# Altium PCB adafruit flora mainboard 2 -  4拼版.PcbDoc (part 1 of 2)
Units mm, origin at the board's own origin, x right, y up, seen from the top; angles counter-clockwise.
Board outline 100 x 100 mm, 16 copper layers (Top, Route2, Route3, Route4, Route5, Route6, Route7, Route8, Route9, Route10, Route11, Route12, Route13, Route14, Route15, Bottom), stack 0.888 mm thick; 220 components, 39 nets, 636 pads, 188 vias.
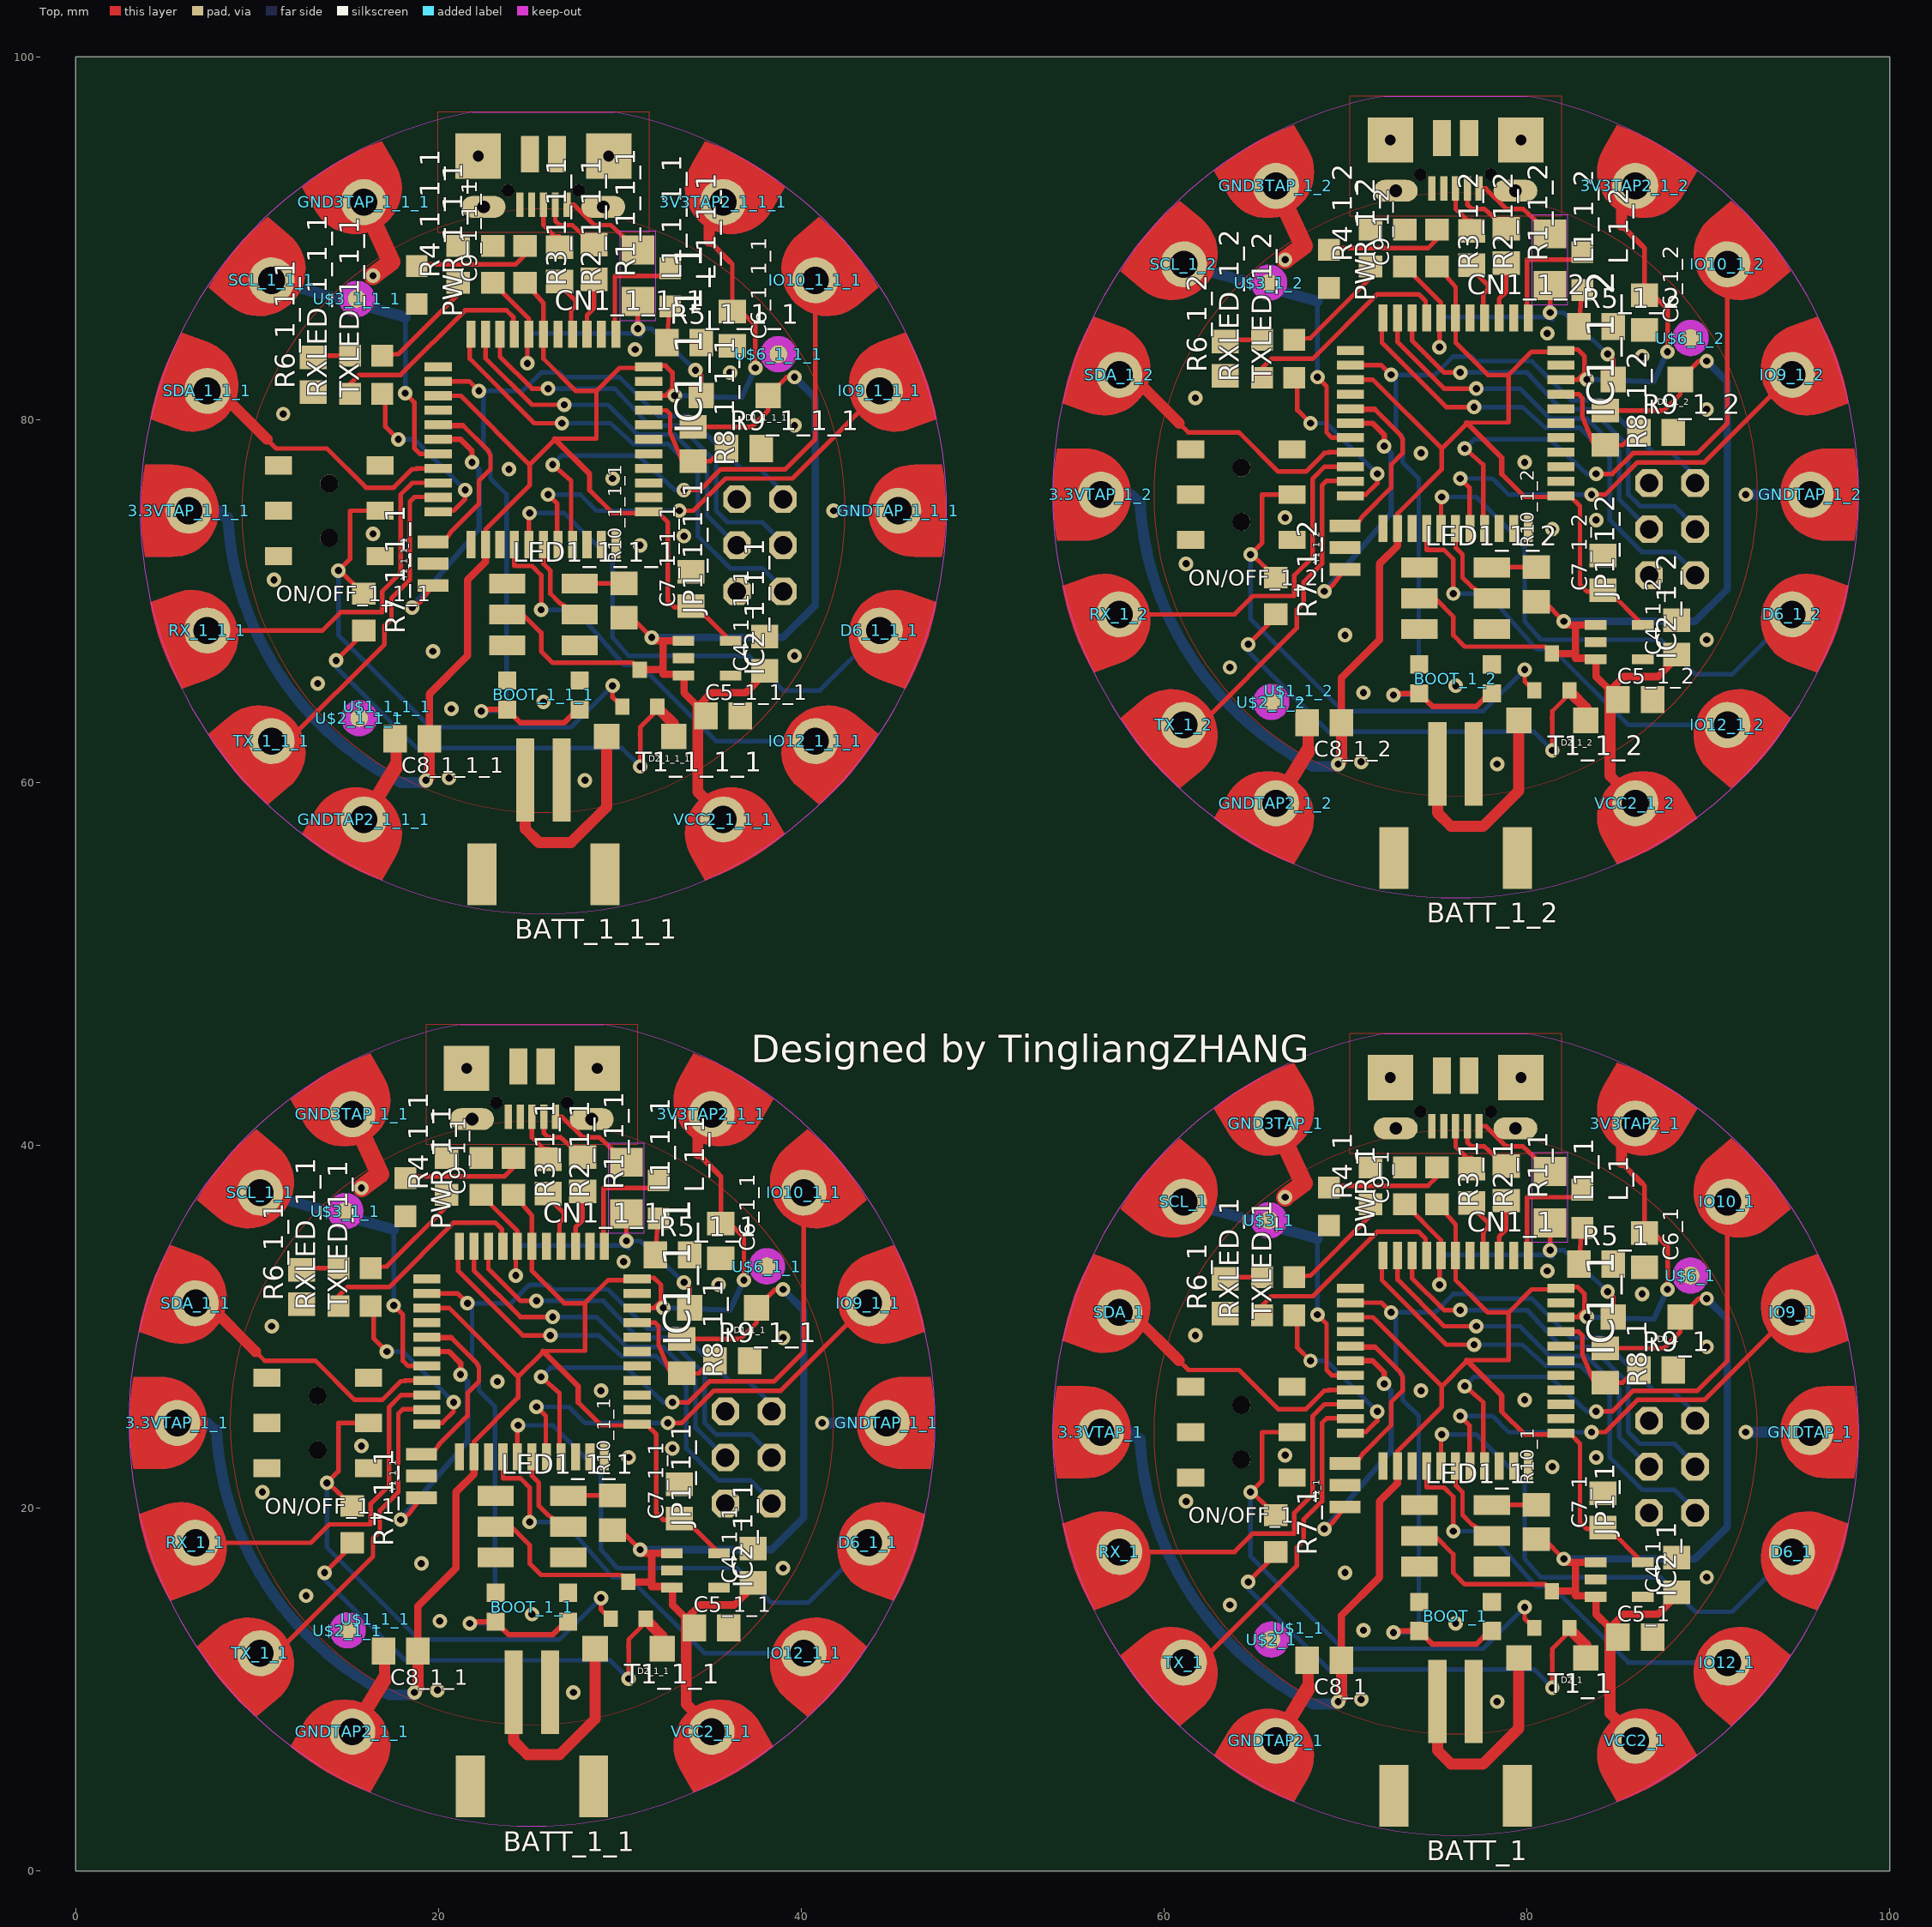
[diagram p0: Top view]
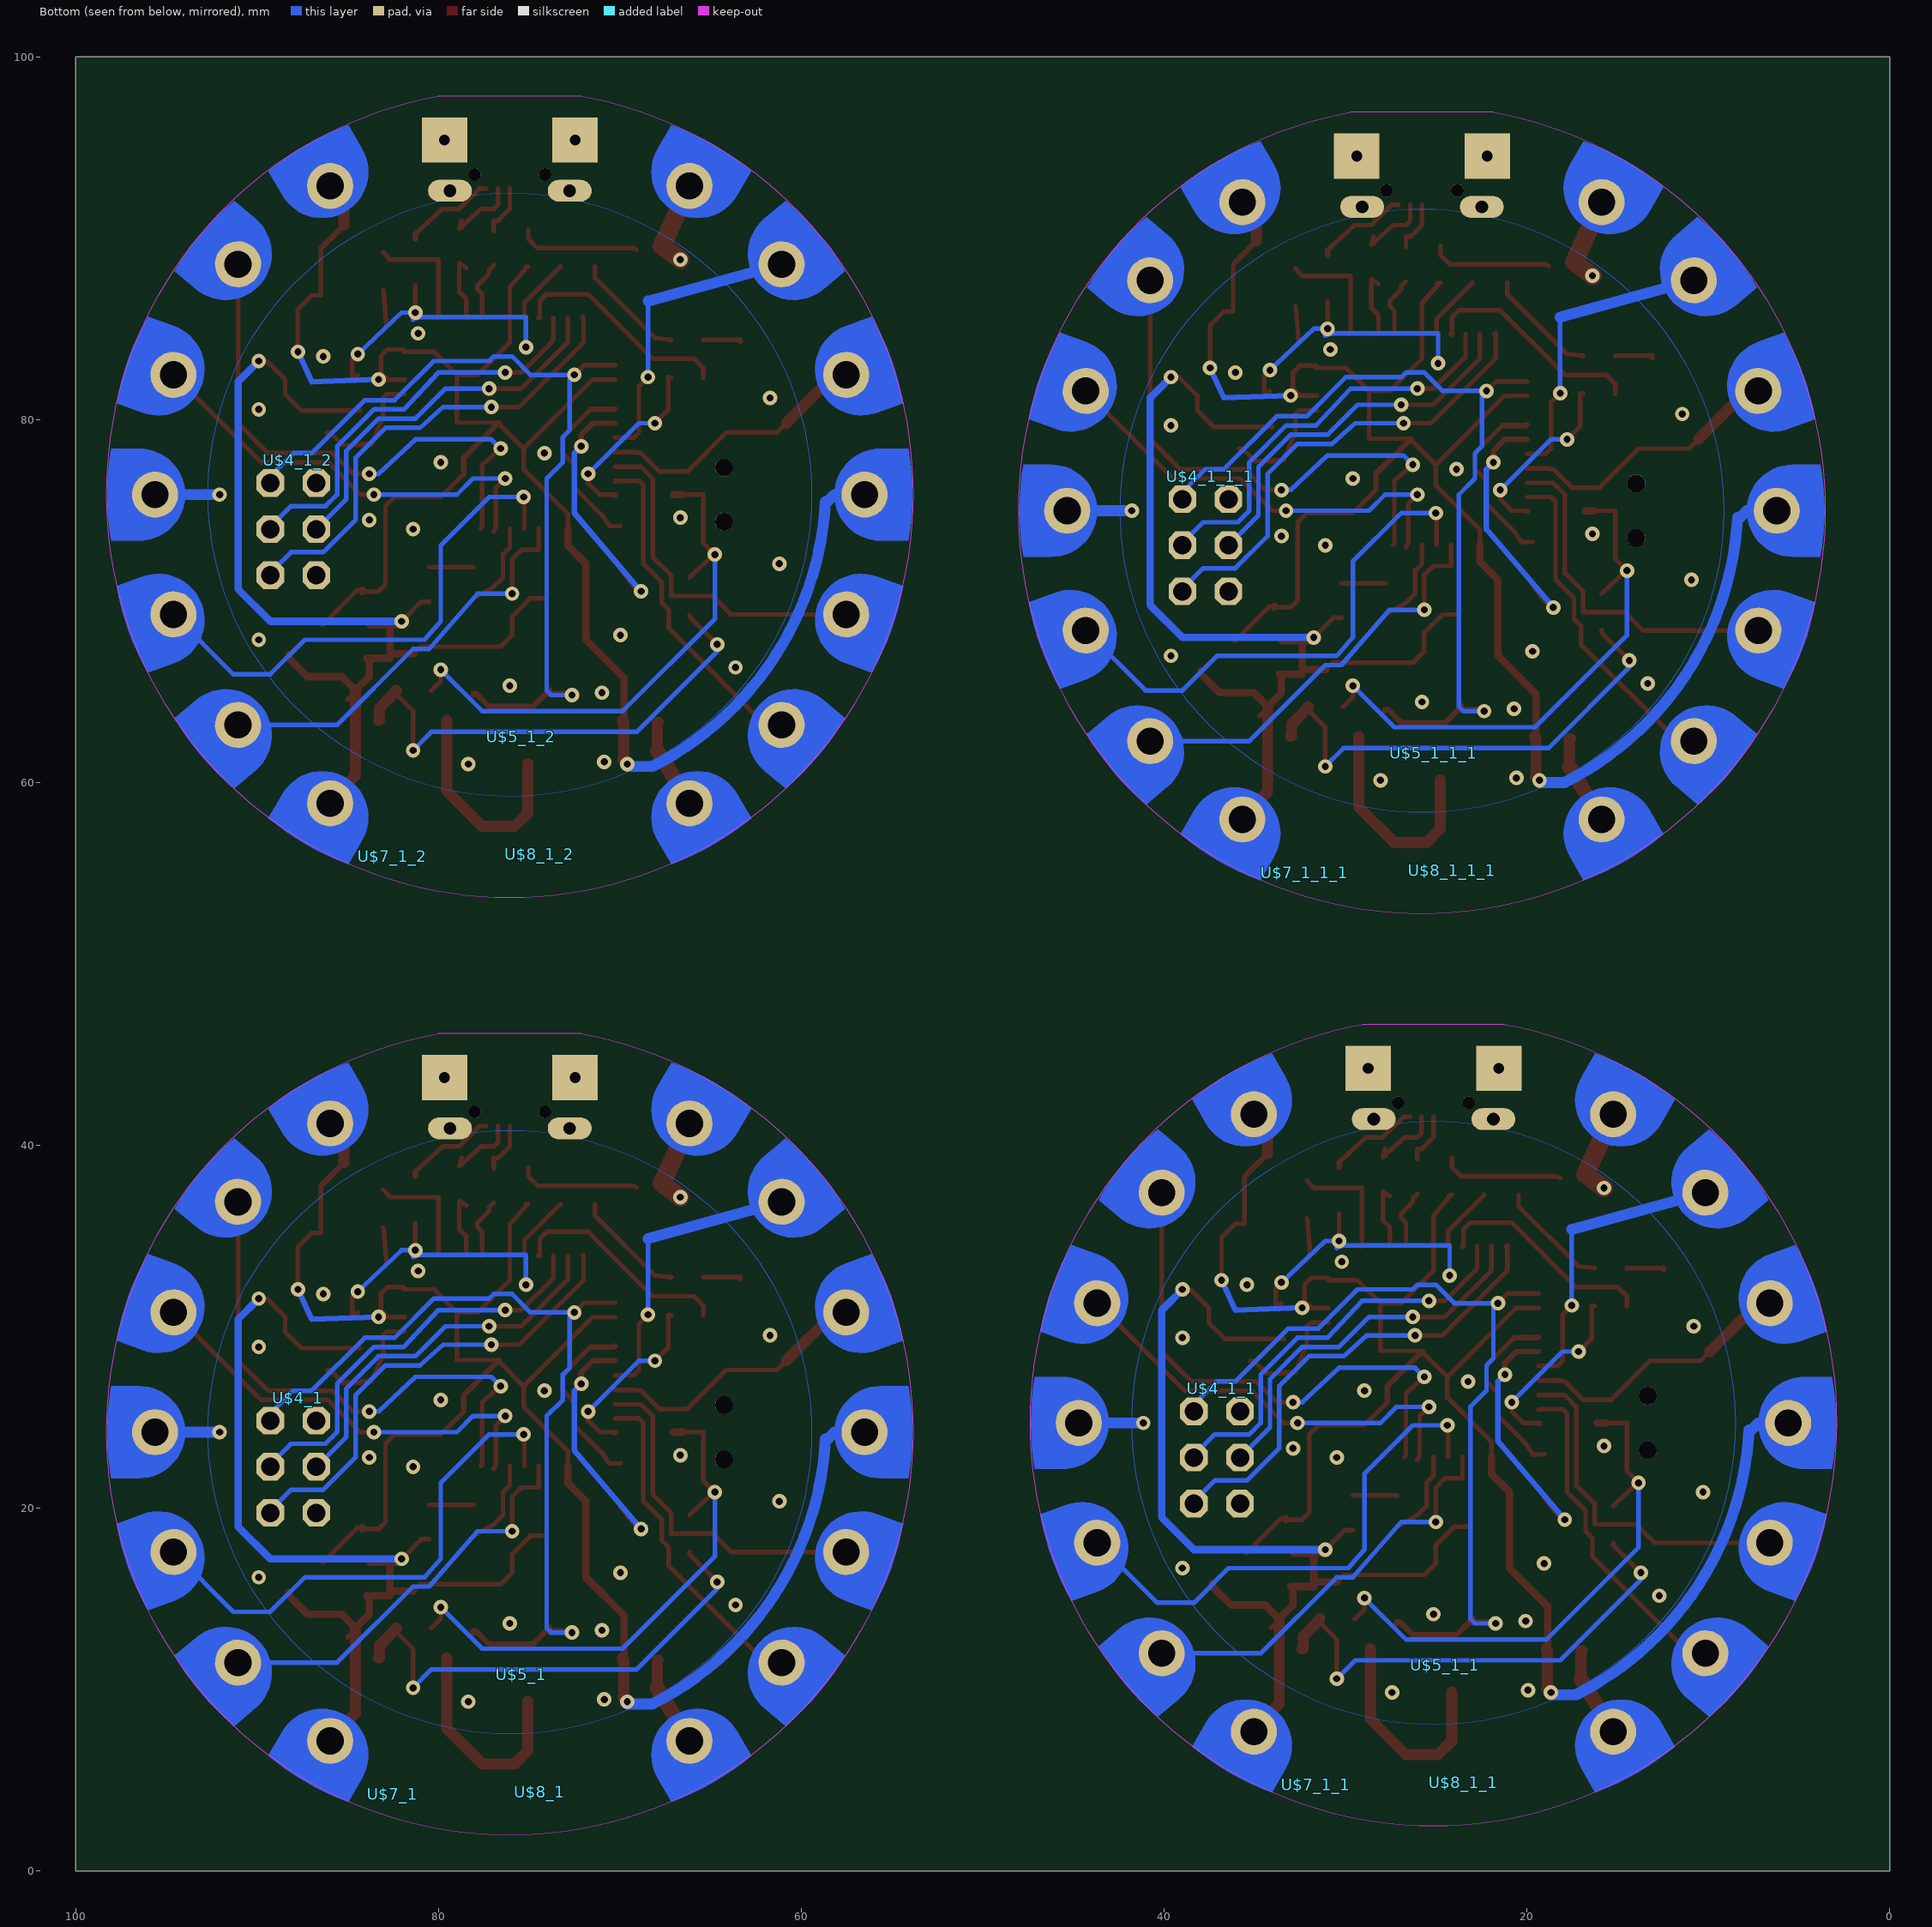
[diagram p1: Bottom view, seen from below]

## Layer stack, top to bottom
Top Solder: solder mask 0.0102, Solder Resist, Dk 3.5
Top: signal copper 0.035
Dielectric 1: dielectric 0.32, FR-4, Dk 4.8
Route2: signal copper 0.0356
Route3: signal copper 0.0356
Route4: signal copper 0.0356
Route5: signal copper 0.0356
Route6: signal copper 0.0356
Route7: signal copper 0.0356
Route8: signal copper 0.0356
Route9: signal copper 0.0356
Route10: signal copper 0.0356
Route11: signal copper 0.0356
Route12: signal copper 0.0356
Route13: signal copper 0.0356
Route14: signal copper 0.0356
Route15: signal copper 0.0356
Bottom: signal copper 0.035
Bottom Solder: solder mask 0.0102, Solder Resist, Dk 3.5

## Board outline
0,0 0,100 100,100 100,0

## Design rules (kind name [scope] priority, off if disabled: settings)
BoardOutlineClearance mdCopperDimension [All] p1: gap=0.254 ignorepadtopadclearanceinfootprint=FALSE except(0: Arc-SplitContinuation Track-SplitContinuation SMDPad-SplitContinuation THPad-SplitContinuation Via-SplitContinuation Fill-SplitContinuation Poly-SplitContinuation Region-SplitContinuation Text-SplitContinuation)
Clearance "Clearance (Same Net)" [All] p1: gap=0.203 ignorepadtopadclearanceinfootprint=FALSE
Clearance [All] p2: gap=0.203 ignorepadtopadclearanceinfootprint=FALSE except(0: Arc-Poly Track-Poly SMDPad-Poly THPad-Poly Via-Poly Fill-Poly Poly-Poly Poly-Region Poly-Text; 0.254: Poly-Hole)
HoleSize [All] p1: absolutevalues=TRUE maxlimit=2540 minlimit=0.394 maxpercent=80.000 minpercent=20.000
HoleToHoleClearance mdDrill [All] p1: gap=0.203 allowstackedmicrovias=TRUE
PasteMaskExpansion Expansion_SMDPaste_OFF [InPadClass('SMDPaste_OFF')] p1: expansion=0
PasteMaskExpansion mlMinCreamFrame [All] p2: expansion=0
PolygonConnect PolygonConnect_For_PolygonThermal_ON_Width100000_Gap100000 [InPolygonClass('PolygonThermal_ON_Width100000_Gap100000') vs Not IsVia] p1: connectstyle=Relief reliefconductorwidth=0.254 reliefentries=4 polygonreliefangle="90 Angle" airgapwidth=0.254
PolygonConnect ThermalVias [IsVia] p2: connectstyle=Direct reliefconductorwidth=0.254 reliefentries=4 polygonreliefangle="90 Angle" airgapwidth=0.254
PolygonConnect [All] p3: connectstyle=Relief reliefconductorwidth=0.254 reliefentries=4 polygonreliefangle="90 Angle" airgapwidth=0.254
RoutingVias [All] p1: holewidth=0.394 width=0.8 viastyle="Through Hole" minholewidth=0.394 minwidth=0.8 maxholewidth=2.54 maxwidth=2.54
SolderMaskExpansion Expansion_SMDSolder_OFF [InPadClass('SMDSolder_OFF')] p1: expansion=0
SolderMaskExpansion mlMinStopFrame [All] p2: expansion=0.051
Width [All] p1: maxlimit=254 minlimit=0.203 preferedwidth=0.203
27 further rules are at their usual default settings.

## Components (designator, comment, footprint, x,y, rotation, side; value= is the part's Value field where it differs from the comment)
3.3VTAP_1 "" SEWINGTAP_2.0 56.515,24.185 r90 top (schematic designator 3.3VTAP)
3.3VTAP_1_1 "" SEWINGTAP_2.0 5.588,24.693 r90 top (schematic designator 3.3VTAP)
3.3VTAP_1_1_1 "" SEWINGTAP_2.0 6.223,74.985 r90 top (schematic designator 3.3VTAP)
3.3VTAP_1_2 "" SEWINGTAP_2.0 56.515,75.874 r90 top (schematic designator 3.3VTAP)
3V3TAP2_1 "" SEWINGTAP_2.0 85.979,41.203 r330 top (schematic designator 3V3TAP2)
3V3TAP2_1_1 "" SEWINGTAP_2.0 35.052,41.711 r330 top (schematic designator 3V3TAP2)
3V3TAP2_1_1_1 "" SEWINGTAP_2.0 35.687,92.003 r330 top (schematic designator 3V3TAP2)
3V3TAP2_1_2 "" SEWINGTAP_2.0 85.979,92.892 r330 top (schematic designator 3V3TAP2)
BATT_1 "3-9VDC" JST-PH-2-SMT-RA 76.073,5.643 r180 top (schematic designator BATT)
BATT_1_1 "3-9VDC" JST-PH-2-SMT-RA 25.146,6.151 r180 top (schematic designator BATT)
BATT_1_1_1 "3-9VDC" JST-PH-2-SMT-RA 25.781,56.443 r180 top (schematic designator BATT)
BATT_1_2 "3-9VDC" JST-PH-2-SMT-RA 76.073,57.332 r180 top (schematic designator BATT)
BOOT_1 "" KMR2 76.073,14.025 r180 top (schematic designator BOOT)
BOOT_1_1 "" KMR2 25.146,14.533 r180 top (schematic designator BOOT)
BOOT_1_1_1 "" KMR2 25.781,64.825 r180 top (schematic designator BOOT)
BOOT_1_2 "" KMR2 76.073,65.714 r180 top (schematic designator BOOT)
C4_1 "10uF" 0805-NO 88.265,16.311 r90 top (schematic designator C4)
C4_1_1 "10uF" 0805-NO 37.338,16.819 r90 top (schematic designator C4)
C4_1_1_1 "10uF" 0805-NO 37.973,67.111 r90 top (schematic designator C4)
C4_1_2 "10uF" 0805-NO 88.265,68 r90 top (schematic designator C4)
C5_1 "10uF" 0805-NO 85.979,12.882 r0 top (schematic designator C5)
C5_1_1 "10uF" 0805-NO 35.052,13.39 r0 top (schematic designator C5)
C5_1_1_1 "10uF" 0805-NO 35.687,63.682 r0 top (schematic designator C5)
C5_1_2 "10uF" 0805-NO 85.979,64.571 r0 top (schematic designator C5)
C6_1 "10uF" 0805-NO 86.487,34.218 r270 top (schematic designator C6)
C6_1_1 "10uF" 0805-NO 35.56,34.726 r270 top (schematic designator C6)
C6_1_1_1 "10uF" 0805-NO 36.195,85.018 r270 top (schematic designator C6)
C6_1_2 "10uF" 0805-NO 86.487,85.907 r270 top (schematic designator C6)
C7_1 "10uF" 0805-NO 84.201,19.867 r90 top (schematic designator C7)
C7_1_1 "10uF" 0805-NO 33.274,20.375 r90 top (schematic designator C7)
C7_1_1_1 "10uF" 0805-NO 33.909,70.667 r90 top (schematic designator C7)
C7_1_2 "10uF" 0805-NO 84.201,71.556 r90 top (schematic designator C7)
C8_1 "10uF" 0805-NO 68.834,11.612 r180 top (schematic designator C8)
C8_1_1 "10uF" 0805-NO 17.907,12.12 r180 top (schematic designator C8)
C8_1_1_1 "10uF" 0805-NO 18.542,62.412 r180 top (schematic designator C8)
C8_1_2 "10uF" 0805-NO 68.834,63.301 r180 top (schematic designator C8)
C9_1 "10uF" _0805MP 73.279,37.774 r90 top (schematic designator C9)
C9_1_1 "10uF" _0805MP 22.352,38.282 r90 top (schematic designator C9)
C9_1_1_1 "10uF" _0805MP 22.987,88.574 r90 top (schematic designator C9)
C9_1_2 "10uF" _0805MP 73.279,89.463 r90 top (schematic designator C9)
CN1_1 "MiniB USB" 4UCONN_20329 76.073,41.838 r180 top (schematic designator CN1)
CN1_1_1 "MiniB USB" 4UCONN_20329 25.146,42.346 r180 top (schematic designator CN1)
CN1_1_1_1 "MiniB USB" 4UCONN_20329 25.781,92.638 r180 top (schematic designator CN1)
CN1_1_2 "MiniB USB" 4UCONN_20329 76.073,93.527 r180 top (schematic designator CN1)
D1_1 "SCHOTTKY" SOD-123 86.614,30.535 r180 top (schematic designator D1)
D1_1_1 "SCHOTTKY" SOD-123 35.687,31.043 r180 top (schematic designator D1)
D1_1_1_1 "SCHOTTKY" SOD-123 36.322,81.335 r180 top (schematic designator D1)
D1_1_2 "SCHOTTKY" SOD-123 86.614,82.224 r180 top (schematic designator D1)
D2_1 "SCHOTTKY" SOD-123 81.407,11.739 r180 top (schematic designator D2)
D2_1_1 "SCHOTTKY" SOD-123 30.48,12.247 r180 top (schematic designator D2)
D2_1_1_1 "SCHOTTKY" SOD-123 31.115,62.539 r180 top (schematic designator D2)
D2_1_2 "SCHOTTKY" SOD-123 81.407,63.428 r180 top (schematic designator D2)
D6_1 "" SEWINGTAP_2.0 94.615,17.581 r250 top (schematic designator D6)
D6_1_1 "" SEWINGTAP_2.0 43.688,18.089 r250 top (schematic designator D6)
D6_1_1_1 "" SEWINGTAP_2.0 44.323,68.381 r250 top (schematic designator D6)
D6_1_2 "" SEWINGTAP_2.0 94.615,69.27 r250 top (schematic designator D6)
GND3TAP_1 "" SEWINGTAP_2.0 66.167,41.203 r30 top (schematic designator GND3TAP)
GND3TAP_1_1 "" SEWINGTAP_2.0 15.24,41.711 r30 top (schematic designator GND3TAP)
GND3TAP_1_1_1 "" SEWINGTAP_2.0 15.875,92.003 r30 top (schematic designator GND3TAP)
GND3TAP_1_2 "" SEWINGTAP_2.0 66.167,92.892 r30 top (schematic designator GND3TAP)
GNDTAP2_1 "" SEWINGTAP_2.0 66.167,7.167 r150 top (schematic designator GNDTAP2)
GNDTAP2_1_1 "" SEWINGTAP_2.0 15.24,7.675 r150 top (schematic designator GNDTAP2)
GNDTAP2_1_1_1 "" SEWINGTAP_2.0 15.875,57.967 r150 top (schematic designator GNDTAP2)
GNDTAP2_1_2 "" SEWINGTAP_2.0 66.167,58.856 r150 top (schematic designator GNDTAP2)
GNDTAP_1 "" SEWINGTAP_2.0 95.631,24.185 r270 top (schematic designator GNDTAP)
GNDTAP_1_1 "" SEWINGTAP_2.0 44.704,24.693 r270 top (schematic designator GNDTAP)
GNDTAP_1_1_1 "" SEWINGTAP_2.0 45.339,74.985 r270 top (schematic designator GNDTAP)
GNDTAP_1_2 "" SEWINGTAP_2.0 95.631,75.874 r270 top (schematic designator GNDTAP)
IC1_1 "ATMEGA32U4-AU" TQFP44 76.073,28.122 r270 top (schematic designator IC1)
IC1_1_1 "ATMEGA32U4-AU" TQFP44 25.146,28.63 r270 top (schematic designator IC1)
IC1_1_1_1 "ATMEGA32U4-AU" TQFP44 25.781,78.922 r270 top (schematic designator IC1)
IC1_1_2 "ATMEGA32U4-AU" TQFP44 76.073,79.811 r270 top (schematic designator IC1)
IC2_1 "MIC5225-3.3V" SOT23-5L 85.09,16.057 r270 top (schematic designator IC2)
IC2_1_1 "MIC5225-3.3V" SOT23-5L 34.163,16.565 r270 top (schematic designator IC2)
IC2_1_1_1 "MIC5225-3.3V" SOT23-5L 34.798,66.857 r270 top (schematic designator IC2)
IC2_1_2 "MIC5225-3.3V" SOT23-5L 85.09,67.746 r270 top (schematic designator IC2)
IO9_1 "" SEWINGTAP_2.0 94.615,30.789 r290 top (schematic designator IO9)
IO9_1_1 "" SEWINGTAP_2.0 43.688,31.297 r290 top (schematic designator IO9)
IO9_1_1_1 "" SEWINGTAP_2.0 44.323,81.589 r290 top (schematic designator IO9)
IO9_1_2 "" SEWINGTAP_2.0 94.615,82.478 r290 top (schematic designator IO9)
IO10_1 "" SEWINGTAP_2.0 91.059,36.885 r310 top (schematic designator IO10)
IO10_1_1 "" SEWINGTAP_2.0 40.132,37.393 r310 top (schematic designator IO10)
IO10_1_1_1 "" SEWINGTAP_2.0 40.767,87.685 r310 top (schematic designator IO10)
IO10_1_2 "" SEWINGTAP_2.0 91.059,88.574 r310 top (schematic designator IO10)
IO12_1 "" SEWINGTAP_2.0 91.059,11.485 r230 top (schematic designator IO12)
IO12_1_1 "" SEWINGTAP_2.0 40.132,11.993 r230 top (schematic designator IO12)
IO12_1_1_1 "" SEWINGTAP_2.0 40.767,62.285 r230 top (schematic designator IO12)
IO12_1_2 "" SEWINGTAP_2.0 91.059,63.174 r230 top (schematic designator IO12)
JP1_1 "ICSP" 2X03 88.011,22.28 r90 top (schematic designator JP1)
JP1_1_1 "ICSP" 2X03 37.084,22.788 r90 top (schematic designator JP1)
JP1_1_1_1 "ICSP" 2X03 37.719,73.08 r90 top (schematic designator JP1)
JP1_1_2 "ICSP" 2X03 88.011,73.969 r90 top (schematic designator JP1)
L1_1 "500mA" R1206 81.28,37.139 r270 top (schematic designator L1)